# Altium PCB PCB1.PcbDoc (part 1 of 2) (continued)
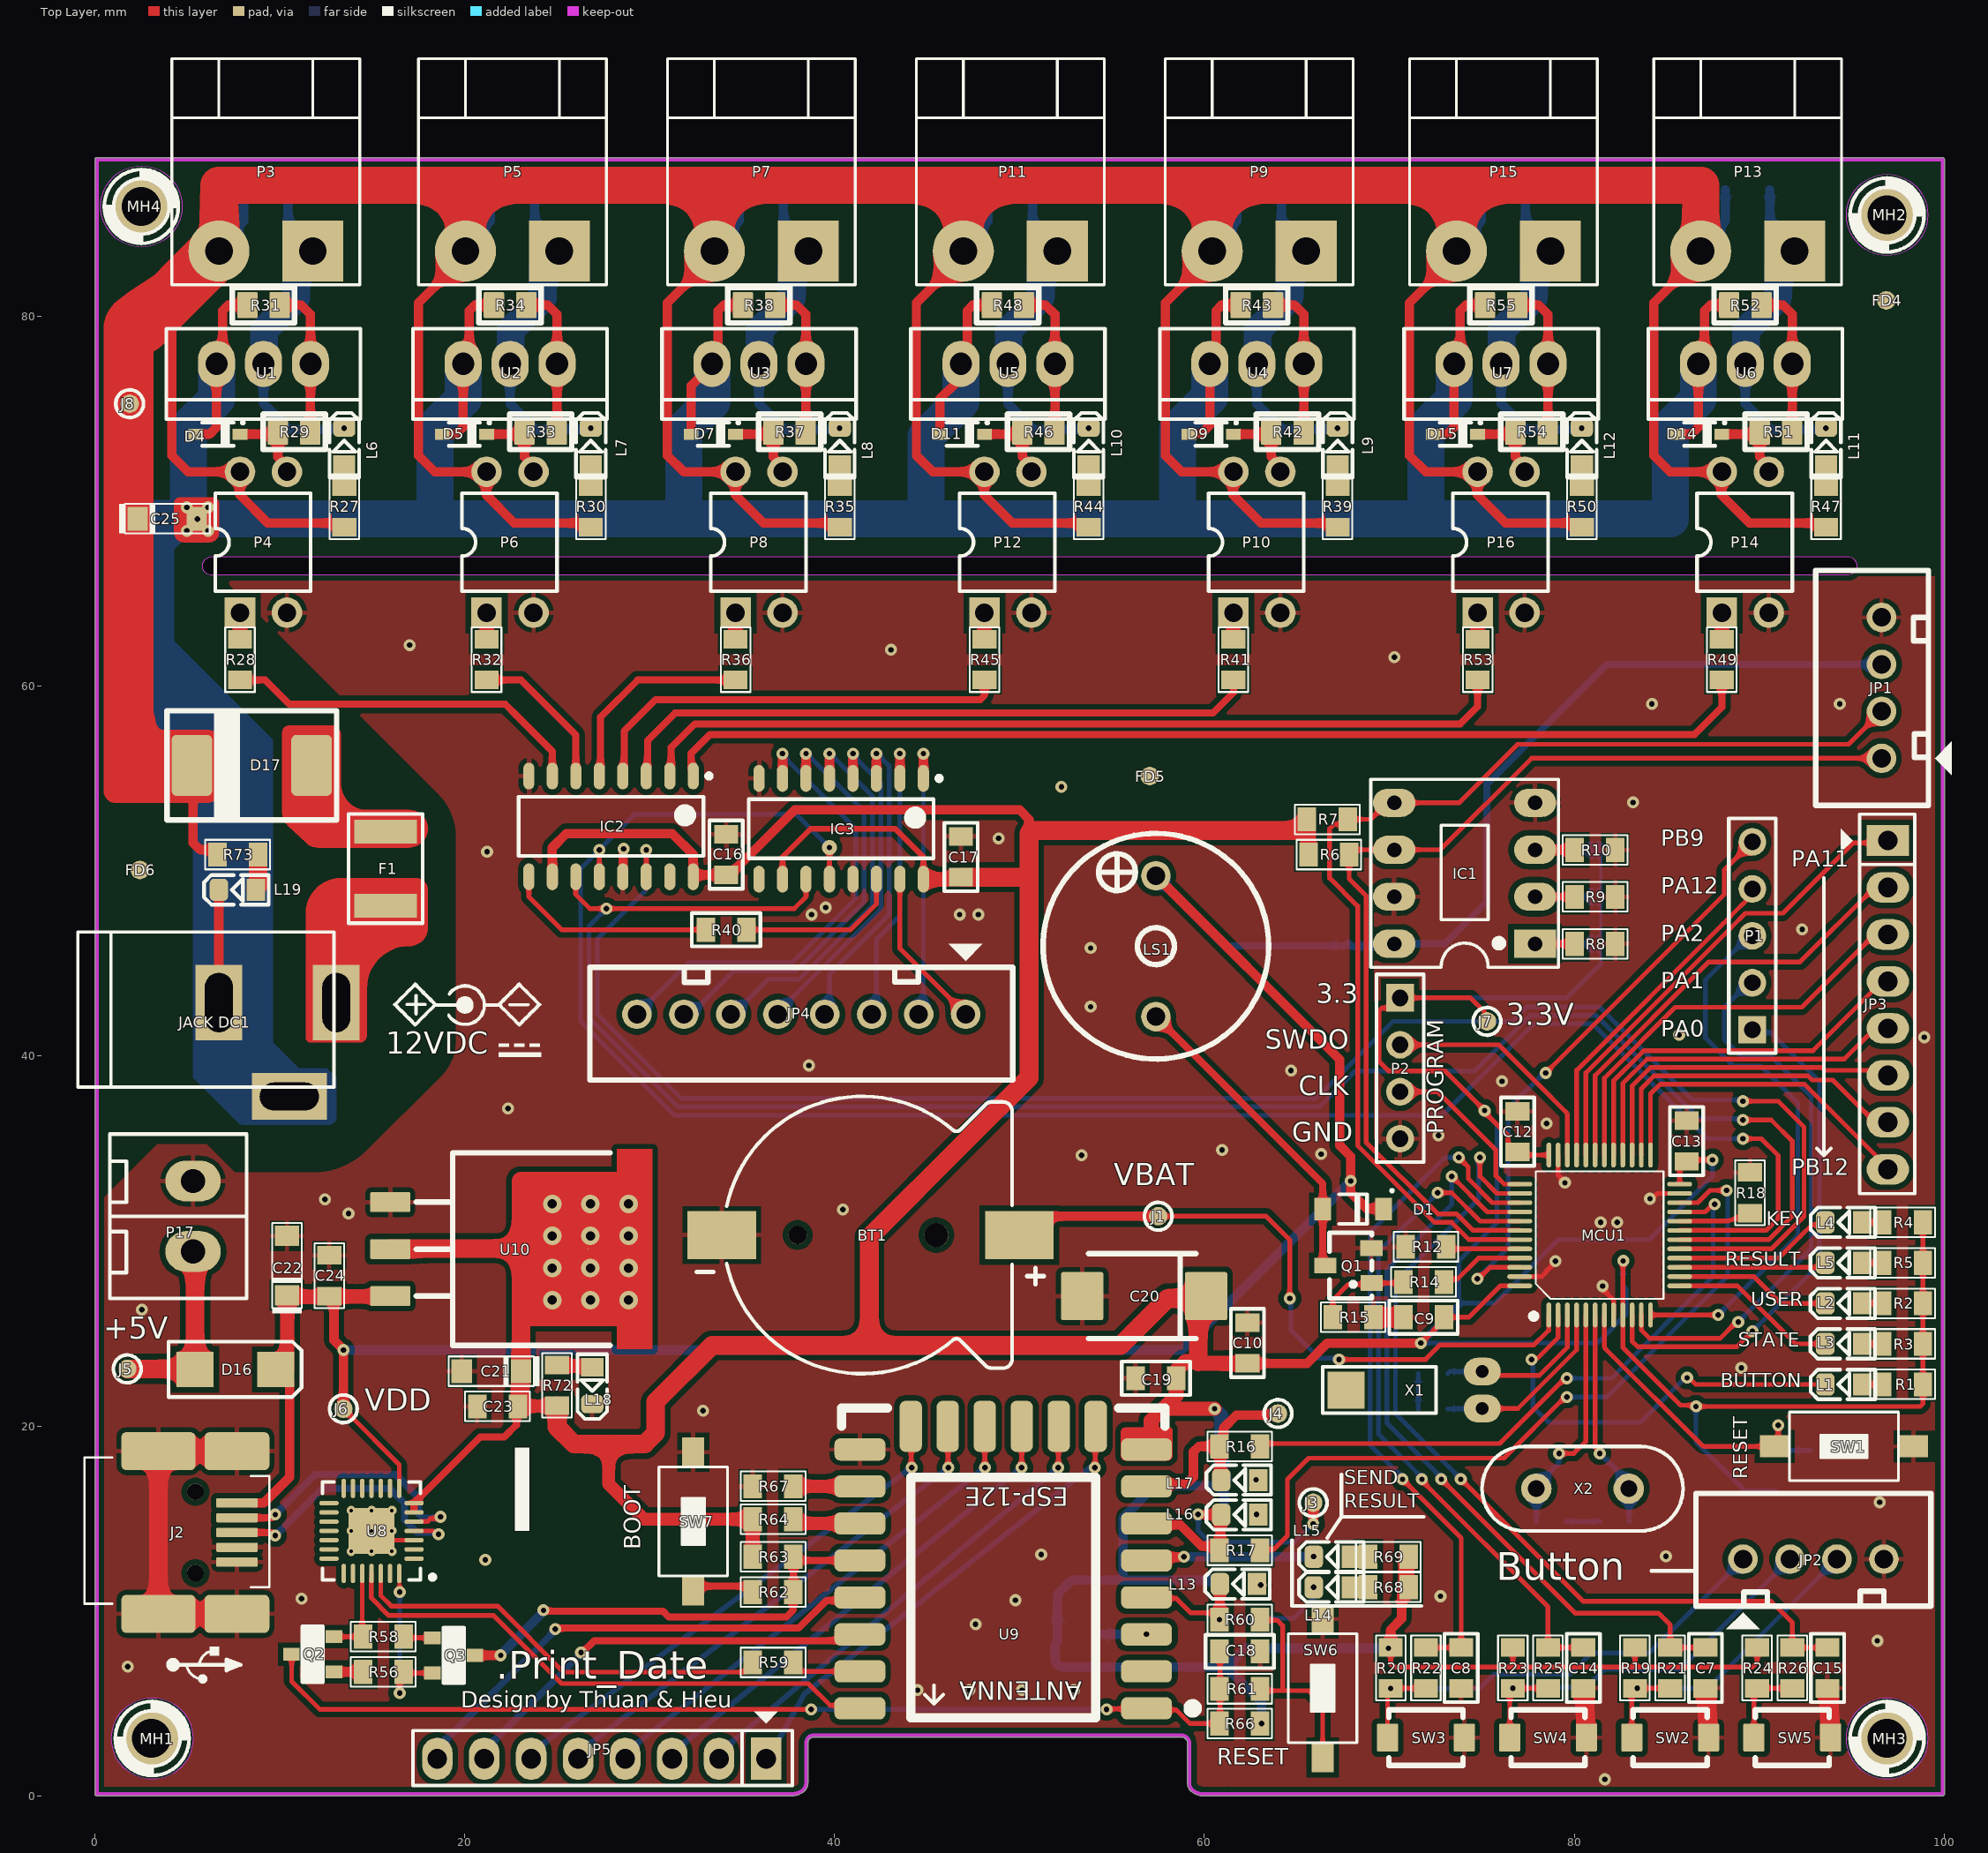
[diagram p0: Top Layer view]
## Part data (continued)
C21 C22 C25: library part T491A106K016AT, "CAP TANT 10UF 16V 10% 1206", Capacitance=10µF, ESR (Equivalent Series Resistance)="7 Ohm", Lifetime @ Temp.="2000 Hrs @ 85°C", Manufacturer 1=KEMET, Manufacturer Size Code=A, Operating Temperature="-55°C ~ 125°C", Package / Case="1206 (3216 Metric)", Supplier Part Number 1=399-8269-1-ND, Tolerance=±10%, Voltage - Rated=16V, Category 1=Capacitors, ComponentLink1Description=http://www.kemet.com/Lists/ProductCatalog/Attachments/254/KEM_T2005_T491.pdf, ComponentLink1URL=http://www.kemet.com/Lists/ProductCatalog/Attachments/254/KEM_T2005_T491.pdf, Description 1="CAP TANT 10UF 16V 10% 1206", Failure Rate=-, Features="General Purpose", Height - Seated (Max)="0.071\" (1.80mm)", Lead Spacing=-, Manufacturer Part Number 1=T491A106K016AT, Mounting Type="Surface Mount", Packaging="Cut Tape (CT)", Part Status=Active, Pricing 1="1=0.45, 10=0.312, 100=0.1873, 500=0.14048, 1000=0.11862 (USD)", RoHS 1="RoHS Compliant", Size / Dimension="0.126\" L x 0.063\" W (3.20mm x 1.60mm)", Stock 1=54083, Supplier 1=Digi-Key, Type=Molded
C23 C24: "Capacitor", LatestRevisionDate=17-Jul-2002, LatestRevisionNote="Re-released for DXP Platform.", PackageReference=RAD-0.3, Published=8-Jun-2000, Publisher="Altium Limited"
D1: library part 1N4148/W/WS, "DIO GEN 75V 0.15A SOD323 SMD", MFR=ONSEMI, MFR PN=1N4148WS, LINK=NA, PRICE=NA, UNIT=PCS
D2 D3 D4 D5 D6 D7 D8 D9 D10 D11 D12 D13 D14 D15: library part 1N4148WS, "DIO GEN 75V 0.15A SOD323 SMD", MFR=ONSEMI, LINK=NA, MFR PN=1N4148WS, PRICE=NA, UNIT=PCS
D16: library part "Diode SS14 ( 1N5819)", "Dán", Chung_Loai=Dán, Don_Vi=Con, Kieu_Chan=DO214, Ma_Hang=MH002211, So_Chan=2, Ten_Linh_Kien="Diode SS14 DO214 Schottky 1A 40V ( 1N5819 DO214)"
D17: library part "Diode Schottky", Buy Link=https://www.thegioiic.com/products/ss54-smc
F1: library part FUSE_MF-MSMF050-2, "BOURNS         MF-MSMF110/16-2            FUSE, RESETTABLE PTC, 16V, 1.1A, 1812, FULL REEL", Case Code (Imperial)=1812, Case Code (Metric)=4532, Current Rating=100A, Hold Current=500mA, Manufacturer=Bourns, Manufacturer Part Number=MF-MSMF050-2, Max Operating Temperature=85°C, Max Power Dissipation=800mW, Min Operating Temperature=-40°C, Operating Supply Voltage=15V, Package Quantity=2000, Resistance=150mR, Supplier Part Number 1=MF-MSMF050-2TR-ND, Trip Current=1A, Aging="1000 hr @ +85 °C (Passive)", Approvals=UL,CSA,TUV, Case/Package=1812, Category=Fuses, ComponentLink1Description=https://datasheet.ciiva.com/34302/1164200-34302041.pdf?src-supplier=Jameco, ComponentLink1URL=https://datasheet.ciiva.com/34302/1164200-34302041.pdf?src-supplier=Jameco, ComponentLink2Description=https://datasheet.ciiva.com/326/mfmsmf-326354.pdf?src-supplier=Digi-Key, ComponentLink2URL=https://datasheet.ciiva.com/326/mfmsmf-326354.pdf?src-supplier=Digi-Key, ComponentLink3Description=https://datasheet.ciiva.com/1228/1786007-1228155.pdf?src-supplier=Newark, ComponentLink3URL=https://datasheet.ciiva.com/1228/1786007-1228155.pdf?src-supplier=Newark, ComponentLink4Description=https://datasheet.ciiva.com/16205/mfmsmf-16205994.pdf?src-supplier=Onlinecomponents.com, ComponentLink4URL=https://datasheet.ciiva.com/16205/mfmsmf-16205994.pdf?src-supplier=Onlinecomponents.com, ComponentLink5Description=https://datasheet.ciiva.com/14537/70153434-14537737.pdf?src-supplier=Allied+Electronics, ComponentLink5URL=https://datasheet.ciiva.com/14537/70153434-14537737.pdf?src-supplier=Allied+Electronics, ComponentLink6Description=https://datasheet.ciiva.com/46395/1695373-46395287.pdf?src-supplier=Element14, ComponentLink6URL=https://datasheet.ciiva.com/46395/1695373-46395287.pdf?src-supplier=Element14, ComponentLink7Description=https://datasheet.ciiva.com/22749/1695373-22749079.pdf?src-supplier=Element14, ComponentLink7URL=https://datasheet.ciiva.com/22749/1695373-22749079.pdf?src-supplier=Element14, ComponentLink8Description=https://datasheet.ciiva.com/32426/mf-msmf-series-eng-tds-32426126.pdf?src-supplier=Distrelec, ComponentLink8URL=https://datasheet.ciiva.com/32426/mf-msmf-series-eng-tds-32426126.pdf?src-supplier=Distrelec, ComponentLink9Description=https://datasheet.ciiva.com/4501/mfmsmf-72300-4501655.pdf?src-supplier=Mouser, ComponentLink9URL=https://datasheet.ciiva.com/4501/mfmsmf-72300-4501655.pdf?src-supplier=Mouser, ComponentLink10Description=https://datasheet.ciiva.com/3019/mfmsmf-3019622.pdf?src-supplier=Avnet, ComponentLink10URL=https://datasheet.ciiva.com/3019/mfmsmf-3019622.pdf?src-supplier=Avnet, ComponentLink11Description=https://datasheet.ciiva.com/3019/mfmsmf-3019621.pdf?src-supplier=Avnet, ComponentLink11URL=https://datasheet.ciiva.com/3019/mfmsmf-3019621.pdf?src-supplier=Avnet, ComponentLink12Description=https://datasheet.ciiva.com/326/mfmsmf-326356.pdf?src-supplier=Digi-Key, ComponentLink12URL=https://datasheet.ciiva.com/326/mfmsmf-326356.pdf?src-supplier=Digi-Key, ComponentLink13Description=https://datasheet.ciiva.com/1274/1786007-1274499.pdf?src-supplier=Element14, ComponentLink13URL=https://datasheet.ciiva.com/1274/1786007-1274499.pdf?src-supplier=Element14, ComponentLink14Description=https://datasheet.ciiva.com/326/mfmsmf-326355.pdf?src-supplier=Digi-Key, ComponentLink14URL=https://datasheet.ciiva.com/326/mfmsmf-326355.pdf?src-supplier=Digi-Key, ComponentLink15Description=https://datasheet.ciiva.com/1274/1786007-1274498.pdf?src-supplier=Element14, ComponentLink15URL=https://datasheet.ciiva.com/1274/1786007-1274498.pdf?src-supplier=Element14, ComponentLink16Description=https://datasheet.ciiva.com/15226/getdatasheetpartid-117168-15226886.pdf?src-supplier=Verical, ComponentLink16URL=https://datasheet.ciiva.com/15226/getdatasheetpartid-117168-15226886.pdf?src-supplier=Verical, ComponentLink17Description=https://datasheet.ciiva.com/25894/mfmsmf-25894175.pdf?src-supplier=Avnet+Europe, ComponentLink17URL=https://datasheet.ciiva.com/25894/mfmsmf-25894175.pdf?src-supplier=Avnet+Europe, ComponentLink18Description=https://datasheet.ciiva.com/16206/mfmsmf-16206000.pdf?src-supplier=Onlinecomponents.com, ComponentLink18URL=https://datasheet.ciiva.com/16206/mfmsmf-16206000.pdf?src-supplier=Onlinecomponents.com, ComponentLink19Description=https://datasheet.ciiva.com/34302/1164242-34302042.pdf?src-supplier=Jameco, ComponentLink19URL=https://datasheet.ciiva.com/34302/1164242-34302042.pdf?src-supplier=Jameco, ComponentLink20Description=https://datasheet.ciiva.com/326/mfmsmf-326551.pdf?src-supplier=Digi-Key, ComponentLink20URL=https://datasheet.ciiva.com/326/mfmsmf-326551.pdf?src-supplier=Digi-Key, ComponentLink21Description=https://datasheet.ciiva.com/1274/1786007-1274504.pdf?src-supplier=Element14, ComponentLink21URL=https://datasheet.ciiva.com/1274/1786007-1274504.pdf?src-supplier=Element14, ComponentLink22Description=https://datasheet.ciiva.com/326/mfmsmf-326553.pdf?src-supplier=Digi-Key, ComponentLink22URL=https://datasheet.ciiva.com/326/mfmsmf-326553.pdf?src-supplier=Digi-Key, ComponentLink23Description=https://datasheet.ciiva.com/1274/1786007-1274505.pdf?src-supplier=Element14, ComponentLink23URL=https://datasheet.ciiva.com/1274/1786007-1274505.pdf?src-supplier=Element14, ComponentLink24Description=https://datasheet.ciiva.com/17401/mfmsmf-17401721.pdf?src-supplier=Avnet+Europe, ComponentLink24URL=https://datasheet.ciiva.com/17401/mfmsmf-17401721.pdf?src-supplier=Avnet+Europe, ComponentLink25Description=https://datasheet.ciiva.com/30134/575mfmsmf-30134057.pdf?src-supplier=Onlinecomponents.com, ComponentLink25URL=https://datasheet.ciiva.com/30134/575mfmsmf-30134057.pdf?src-supplier=Onlinecomponents.com, ComponentLink26Description=https://datasheet.ciiva.com/3020/mfmsmf-3020011.pdf?src-supplier=Avnet, ComponentLink26URL=https://datasheet.ciiva.com/3020/mfmsmf-3020011.pdf?src-supplier=Avnet, ComponentLink27Description=https://datasheet.ciiva.com/3019/mfmsmf-3019628.pdf?src-supplier=Avnet, ComponentLink27URL=https://datasheet.ciiva.com/3019/mfmsmf-3019628.pdf?src-supplier=Avnet, ComponentLink28Description=https://datasheet.ciiva.com/1228/1786007-1228158.pdf?src-supplier=Newark, ComponentLink28URL=https://datasheet.ciiva.com/1228/1786007-1228158.pdf?src-supplier=Newark, ComponentLink29Description=https://datasheet.ciiva.com/28411/1695373-28411566.pdf?src-supplier=Element14, ComponentLink29URL=https://datasheet.ciiva.com/28411/1695373-28411566.pdf?src-supplier=Element14, ComponentLink30Description=https://datasheet.ciiva.com/326/mfmsmf-326552.pdf?src-supplier=Digi-Key, ComponentLink30URL=https://datasheet.ciiva.com/326/mfmsmf-326552.pdf?src-supplier=Digi-Key, ComponentLink31Description=https://datasheet.ciiva.com/14538/70153434-14538680.pdf?src-supplier=Allied+Electronics, ComponentLink31URL=https://datasheet.ciiva.com/14538/70153434-14538680.pdf?src-supplier=Allied+Electronics, ComponentLink32Description=https://datasheet.ciiva.com/15187/getdatasheetpartid-115224-15187116.pdf?src-supplier=Verical, ComponentLink32URL=https://datasheet.ciiva.com/15187/getdatasheetpartid-115224-15187116.pdf?src-supplier=Verical, Contact Plating=Gold, Height=0.85mm, Lead Free="Lead Free", Length=4.73mm, Max Current Rating=100A, Mount="Surface Mount,PCB", Number of Pins=2, Number of Terminals/Pins=2, Packaging="Tape and Reel", Power Dissipation=800mW, Pricing 1="2000=0.15300, 4000=0.14400, 6000=0.13500, 10000=0.12600 (USD)", Pricing 2="2000=0.16800, 4000=0.16500, 6000=0.16200, 10000=0.15960 (USD)", Radiation Hardening=No, REACH SVHC="No SVHC", RoHS=Yes, RoHS Compliant=Yes, Series=MF-MSMF, Stock 1=20000, Stock 2=8000, Supplier 1=Digi-Key, Supplier 2=Digi-Key, Supplier Part Number 2=MF-MSMF110/16-2TR-ND, Terminal Material=Gold, Termination=SMD/SMT, Time to Trip=0.15s, Voltage Rating=15V, Voltage Rating (DC)=15V, Width=3.41mm
IC1: library part 24Cxx, "Standard 2-Wire Bus Interface Serial EEPROM", Copyright by=VanDungEvn
IC2 IC3: library part 74595, "8 Bit Serial input - Parallel Output"
J1 J3 J4 J5 J6 J7 J8: library part "TEST POINT 1.0X1.0", Manufacturer 1="Bourns Inc.", Manufacturer Part Number 1=PTV09A-4020U-B103, Power (Watts)="0.05W, 1/20W", Resistance (Ohms)=10k, Resistive Material=Carbon, Supplier Part Number 1=PTV09A-4020U-B103-ND, Temperature Coefficient=-, Tolerance=±20%, Actuator Diameter="0.236\" (6.00mm)", Actuator Length="0.787\" (20.00mm)", Actuator Type=Knurled, Adjustment Type="Top Adjustment", Built in Switch=None, Bushing Thread=-, Category 1="Potentiometers, Variable Resistors", ComponentLink1Description=http://www.bourns.com/docs/Product-Datasheets/PTV09.pdf, ComponentLink1URL=http://www.bourns.com/docs/Product-Datasheets/PTV09.pdf, Description 1="POT 10K OHM 1/20W CARBON LINEAR", Mounting Type="Through Hole, Snap In", Number of Turns=1, Packaging=Tray, Part Status=Active, Pricing 1="1=0.83, 10=0.744, 25=0.672, 50=0.648, 100=0.612, 250=0.588, 500=0.552, 1000=0.456, 5000=0.372 (USD)", RoHS 1="RoHS Compliant", Rotation=280°, Stock 1=414, Supplier 1=Digi-Key, Taper=Linear, Termination Style="PC Pins, Board Locks"
J2: "Connector SMD USB Type Mini-B", Manufacturer 1="Molex Connector Corporation", Manufacturer Part Number 1=67503-1020, Package / Case=SMD, Supplier Part Number 1=WM5461CT-ND, SCDType=undef, Supplier 1=Digi-Key
JP1 JP2: library part Con4, "Connector 4"
JP3 JP5: library part JP8, "JP8 PIN"
JP4: library part Con8, "Connector 8"
L1 L2 L3 L4 L5 L14 L15 L16 L17 L18: library part "LED RED 0805", "SMD", Chung_Loai=Dán, Don_Vi=Con, Ma_Hang=MH000897, Ten_Linh_Kien="LED 0805 Màu Đỏ (Red)"
L6 L7 L8 L9 L10 L11 L12 L13 L19: library part "LED GREEN 0805", "SMD", Chung_Loai=Dán, Don_Vi=Con, Ma_Hang=MH000897, Ten_Linh_Kien="LED 0805 Màu Đỏ (Red)"
MCU1: library part STM32F103C8T6, "Arm® 32-bit Cortex®-M3 CPU core / – 72 MHz maximum frequency, 1.25 / DMIPS/MHz (Dhrystone 2.1) performance / at 0 wait state memory access / – Single-cycle multiplication and hardware / division"
MH1 MH2 MH3 MH4: "Mounting Hole 3mm Diameter, 2.1mm Drill"
P1: library part "Header 5x1", "Header, 5 Pin Pitch 2.54mm", MPN=S1012EC-40-ND, CompanyID=VT-00125, Solder=WAVE
P2: library part Connector_4pin
P4 P6 P8 P10 P12 P14 P16: "NPN PHOTO General Purpose Amplifier", Code_JEDEC=TO-92A, DatasheetDocument=1997, LatestRevisionDate=15-Jan-2003, LatestRevisionNote="PCB Footprint 'BCY-W3/D4.7' replaced", PackageReference=TO-92A, Published=8-Jun-2000, Publisher="Altium Limited"
P17: library part TERMINAL_KF2EDGV_F_1X2_3.81, "TERM BLOCK HDR 2POS VERT 3.81MM", Color=Green, Current - IEC=-, Manufacturer="Wurth Electronics Inc.", Material Flammability Rating="UL94 V-0", Operating Temperature="-40°C ~ 105°C", Supplier Part Number 1=732-2082-ND, Category="Connectors, Interconnects", ComponentLink1Description=http://katalog.we-online.de/em/datasheet/6913213000xx.pdf, ComponentLink1URL=http://katalog.we-online.de/em/datasheet/6913213000xx.pdf, Contact Material=Brass, Contact Mating Finish=Tin, Contact Tail Length="0.138\" (3.50mm)", Features=-, Header Orientation=Vertical, Housing Material="Polyamide (PA66), Nylon 6/6", Ingress Protection=-, Insulation Height="0.362\" (9.20mm)", Manufacturer Part Number=691321300002, Mounting Type="Through Hole", Number of Levels=1, Number of Positions=2, Packaging=Bulk, Part Status=Active, Pitch="0.150\" (3.81mm)", Plug Wire Entry=-, Positions Per Level=2, Pricing 1="1=0.33, 10=0.296, 50=0.255, 100=0.2375 (USD)", RoHS="RoHS Compliant", Screw Size=-, Stock 1=2512, Supplier 1=Digi-Key, Termination Style=Solder, Torque - Screw=-, Type="Header, Male Pins, Shrouded (4 Side)", Wire Gauge or Range - AWG=-, Wire Gauge or Range - mm²=-, Wire Strip Length=-
Q1: library part C1815, "NPN 600mW, ECB"
Q2 Q3: library part MMBT8050LT1G_SMD, "NPN General Purpose Amplifier", Code_JEDEC=TO-92A, ComponentLink1Description="Manufacturer Link", ComponentLink1URL=http://www.fairchildsemi.com/, ComponentLink2Description=Datasheet, ComponentLink2URL=http://www.fairchildsemi.com/ds/2N%2F2N3904.pdf, DatasheetVersion=1997, LatestRevisionDate=15-Jan-2003, LatestRevisionNote="PCB Footprint 'BCY-W3/D4.7' replaced", PackageReference=TO-92A, PackageVersion=Sep-1998, Published=8-Jun-2000, Publisher="Altium Limited"
R1 R2 R3 R4 R5 R6 R7 R8 R9 R10 R11 R12 R13 R14 R15 R16 R17 R18 R19 R20 R21 R22 R23 R24 R25 R26 R56 R57 R58 R59 R60 R61 R62 R63 R64 R65 R66 R67 R68 R69 R72 R73: "Semiconductor Resistor", LatestRevisionDate=17-Jul-2002, LatestRevisionNote="Re-released for DXP Platform.", PackageReference=AXIAL-0.5, Published=8-Jun-2000, Publisher="Altium Limited"
R27 R28 R29 R30 R31 R32 R33 R34 R35 R36 R37 R38 R39 R41 R42 R43 R44 R45 R46 R47 R48 R49 R50 R51 R52 R53 R54 R55 R70 R71: library part 34.8K/R0805/1%_3, "1 kOhms ±1% 0.125W, 1/8W Chip Resistor 0805 (2012 Metric) Automotive AEC-Q200 Thick Film", Case Code (Imperial)=0603, Case Code (Metric)=1608, Max Operating Temperature=155°C, Min Operating Temperature=-55°C, Power Rating=100mW, Resistance=34.8kR, Voltage Rating=50V, Case/Package=0603, Depth=0.8mm, Digikey=541-1.00KCCT-ND, Height=0.45mm, Lead Free="Lead Free", Length=1.6mm, Military Standard=Not, Termination=SMD/SMT, Voltage Rating (DC)=50V, Width=0.8mm
R40: library part RC0805JR-0710KL, "RES SMD 10K OHM 5% 1/8W 0805", Manufacturer=Yageo, Operating Temperature="-55°C ~ 155°C", Package / Case="0805 (2012 Metric)", Power (Watts)="0.125W, 1/8W", Supplier Device Package=0805, Supplier Part Number 1=311-10KARCT-ND, Temperature Coefficient=±100ppm/°C, Tolerance=±5%, Category=Resistors, ComponentLink1Description=http://www.yageo.com/documents/recent/PYu-RC_Group_51_RoHS_L_9.pdf, ComponentLink1URL=http://www.yageo.com/documents/recent/PYu-RC_Group_51_RoHS_L_9.pdf, Composition="Thick Film", Failure Rate=-, Features="Moisture Resistant", Height - Seated (Max)="0.024\" (0.60mm)", Manufacturer Part Number=RC0805JR-0710KL, Packaging="Cut Tape (CT)", Part Status=Active, Pricing 1="1=0.1, 10=0.036, 100=0.0145, 1000=0.00652, 2500=0.00566 (USD)", RoHS="RoHS Compliant", Size / Dimension="0.079\" L x 0.049\" W (2.00mm x 1.25mm)", Stock 1=0, Supplier 1=Digi-Key
SB1 SB2 SB3: library part SOLDERBRIDGE, Artikkelnr Noca=N.A., Artikkelnr Simpro=N.A., ComponentLink1Description=Datasheet, ComponentLink2Description="Supplier link", Footprint Doc=Solderbridge, LatestRevisionDate=2009-12-14, Part Number=Solderbridge, Pin Count=2, Published=2009-12-14, Publisher="Nordic Semiconductor"
SW1 SW6 SW7: library part "SW_RS-282G05A3-SM RT", "SWITCH TACTILE SPST-NO 0.05A 12V", Contact Rating @ Voltage="0.05A @ 12VDC", Illumination Type, Color=-, Manufacturer=C&K, Operating Force=250gf, Supplier Part Number 1=CKN10384DKR-ND, Actuator Height off PCB, Vertical=2.50mm, Actuator Length, Right Angle=-, Actuator Material="Polyamide (PA), Nylon", Actuator Orientation="Top Actuated", Actuator Type="Rectangular Button", Category=Switches, Circuit=SPST-NO, ComponentLink1Description=http://media.digikey.com/pdf/Data%20Sheets/C&K/RS-282G05A-SM_RT.pdf, ComponentLink1URL=http://media.digikey.com/pdf/Data%20Sheets/C&K/RS-282G05A-SM_RT.pdf, Features=-, Illumination=Non-Illuminated, Illumination Voltage (Nominal)=-, Ingress Protection=-, Manufacturer Part Number="RS-282G05A3-SM RT", Mechanical Life="50,000 Cycles", Mounting Type="Surface Mount", Operating Temperature=-, Outline="6.00mm x 3.60mm", Packaging=Digi-Reel®, Part Status=Active, Pricing 1="1=0.81, 10=0.78, 25=0.7356, 50=0.6474, 100=0.5885, 250=0.55908, 500=0.54436, 1000=0.42666 (USD)", RoHS="RoHS Compliant", Stock 1=34459, Supplier 1=Digi-Key, Switch Function=Off-Mom, Switch Travel=0.25mm, Termination Style="Gull Wing"
SW2 SW3 SW4 SW5: library part "BUTTON 2-SMD RS-282G05A3", Contact Rating @ Voltage="0.05A @ 12VDC", Illumination Type, Color=-, Manufacturer="C&K Components", Manufacturer Part Number="RS-282G05A3-SM RT", Operating Force=250gf, Supplier Part Number 1=CKN10384CT-ND, Actuator Height off PCB, from Pins=2.50mm, Actuator Material="Polyamide (PA), Nylon", Actuator Orientation="Top Actuated", Actuator Type="Rectangular Button", Buy Link=https://thegioiic.com/products/nut-nhan-3x4x2-5-2pin-smd, Category=Switches, Circuit=SPST-NO, ComponentLink1Description=http://media.digikey.com/pdf/Data%20Sheets/C&K/RS-282G05A-SM_RT.pdf, ComponentLink1URL=http://media.digikey.com/pdf/Data%20Sheets/C&K/RS-282G05A-SM_RT.pdf, Features=-, Illumination=Non-Illuminated, Illumination Voltage (Nominal)=-, Ingress Protection=-, Mechanical Life="50,000 Cycles", Mounting Type="Surface Mount", Operating Temperature=-, Outline="6.00mm x 3.60mm", Packaging="Cut Tape (CT)", Part Status=Active, RoHS="RoHS Compliant", Supplier 1=Digi-Key, Switch Function=Off-Mom, Switch Travel=0.25mm, Termination Style="Gull Wing"
U1 U2 U3 U4 U5 U6 U7: "MOSFET N-CH 55V 110A TO-220AB"
U9: library part ESP_12_E, "ESP8266 ESP-12E Module (ESP8266, Castellated Holes)", IC=ESP8266-EX, Vendor=Ai-thinker
U10: "Linear Voltage Regulator 3V3 1.5A 24V Max TO-220", ComponentLink1Description=Datasheet, ComponentLink1URL="D:\Dropbox\Datasheets\Power Management ICs\Linear Regulators\LM78XX.pdf", Unit Price=0.3000
X1: library part XTAL_AB26T-32.768KHZ, "CRYSTAL 32.7680KHZ 12.5PF T/H", Frequency Stability=-, Frequency Tolerance=±20ppm, Load Capacitance=12.5pF, Manufacturer="Abracon LLC", Operating Mode=Fundamental, Operating Temperature="-10°C ~ 60°C", Package / Case="Cylindrical Can, Radial", Supplier Part Number 1=535-9032-ND, Category="Crystals, Oscillators, Resonators", ComponentLink1Description=http://www.abracon.com/Resonators/AB26T.pdf, ComponentLink1URL=http://www.abracon.com/Resonators/AB26T.pdf, Height - Seated (Max)="0.244\" (6.20mm)", Manufacturer Part Number=AB26T-32.768KHZ, Mounting Type="Through Hole", Packaging=Bulk, Part Status=Active, Pricing 1="1=0.21, 10=0.175, 50=0.1576, 100=0.14, 500=0.133, 1000=0.112, 2500=0.105, 5000=0.1015, 10000=0.098 (USD)", Ratings=-, RoHS="RoHS Compliant", Size / Dimension="0.083\" Dia x 0.244\" L (2.10mm x 6.20mm)", Stock 1=17810, Supplier 1=Digi-Key, Type="kHz Crystal (Tuning Fork)"
X2: "CRYSTAL 8.0000MHZ 12PF T/H", Frequency Stability=±30ppm, Load Capacitance=12pF, Manufacturer="TXC CORPORATION", Manufacturer Part Number=9B-8.000MAAE-B, Operating Mode=Fundamental, Operating Temperature="-20°C ~ 70°C", Package / Case=HC49/US, Ratings=-, Supplier Part Number 1=9B-8.000MAAE-B-ND, Category="Crystals, Oscillators, Resonators", ComponentLink1Description=http://www.txccorp.com/download/products/quartz_crystals/2015TXC_9B_33.pdf, ComponentLink1URL=http://www.txccorp.com/download/products/quartz_crystals/2015TXC_9B_33.pdf, Frequency Tolerance=±30ppm, Height - Seated (Max)="0.145\" (3.68mm)", Mounting Type="Through Hole", Packaging=Bulk, Part Status=Active, Pricing 1="1000=0.192 (USD)", RoHS="RoHS Compliant", Size / Dimension="0.453\" L x 0.197\" W (11.50mm x 5.00mm)", Stock 1=0, Supplier 1=Digi-Key, Type="MHz Crystal"

## Via types
v1: diameter 0.65, hole 0.3, Top Layer to Bottom Layer, tented both sides, 145 vias
v2: diameter 1, hole 0.5, Top Layer to Bottom Layer, 12 vias
v3: diameter 0.5, hole 0.2, Top Layer to Bottom Layer, tented both sides, 9 vias
v4: diameter 0.8/0.8 (per signal layer), hole 0.3, Top Layer to Bottom Layer, tented both sides, 1 vias

## Nets (pads, with @x,y where several pads share a name; then routed paths per layer and width w, separated by ;. In a path a pad name is that pad's centre, name@x,y a point inside that pad or via, vN(x,y) a via of type N, cw(c..) or ccw(c..) an arc to the next point about the centre after c; other vN are vias at no path point)
3V3: C9.2 C10.2 C11.2 C12.2 C13.2 C16.1 C17.1 C19.2 C20.1 C21.1 C23.1 IC2.10 IC2.16 IC3.10 IC3.16 J7.1 MCU1.9 MCU1.24 MCU1.36 MCU1.48 P2.1 R1.2 R2.2 R3.2 R4.2 R5.2 R6.2 R7.2 R13.2 R19.1 R20.1 R23.1 R24.1 R57.2 R63.1 R64.1 R65.1 R66.1 R68.2 R69.2 R70.2 R71.2 R72.1 SB1.1 SB2.1 SB3.2 U8.6 U8.7 U9.8 U10.2 U10.4 | length 424.3
  Top Layer w0.254: R6.2@65.548,50.984 R6.2@65.548,50.988 ; v1(69.95,7.974) 70.077,7.847 70.077,7.107 70.226,6.958 76.681,6.958 ; v1(71.708,24.484) C9.2@72.955,25.731 ; C9.2@73.105,25.881 74.299,25.881 75.992,27.574 77.053,27.574 MCU1.48@77.055,27.576 ; J7.1@75.284,41.883 75.141,42.026 75.141,42.407 74.395,43.153 P2.1@70.585,43.153 70.036,42.605 69.603,42.605 69.454,42.456 69.454,39.712 69.962,39.204 73.01,39.204 v1(75.157,37.057) 75.157,36.961 76.412,35.706 76.412,35.187 76.785,34.814 C12.2@76.935,34.814 77.098,34.651 MCU1.36@78.63,34.651 ; R23.1@76.681,8.015 76.681,6.958 ; v1(82.65,28.929) 82.632,28.911 82.632,26.003 MCU1.9@82.63,26.001 82.632,25.999 82.632,24.248 85.757,21.123 86.519,21.123 v1(86.587,21.055) 98.71,21.055 98.859,21.204 R1.2@98.859,22.248 R3.2@98.859,24.439 R2.2@98.859,26.63 R5.2@98.859,28.821 R4.2@98.859,31.011 ; R19.1@83.285,8.015 83.285,6.958 ; MCU1.24@85.705,33.076 85.705,33.933 C13.2@86.079,34.306 ; C13.2@86.079,34.306 86.163,34.39 v1(87.476,34.39) ; R24.1@89.889,8.015 89.889,7.212 89.635,6.958 83.285,6.958 ; 76.681,6.958 83.285,6.958
  Top Layer w0.305: IC3.10@37.184,49.572 37.184,50.773 38.708,52.297 43.28,52.297 44.804,50.773 IC3.16@44.804,49.572
  Top Layer w0.381: 17.259,15.487 U8.7@17.259,15.824 ; U8.7@17.325,15.89 17.617,16.182 20.839,19.404 22.145,19.404 22.797,20.057 22.797,20.979 C23.1@22.874,21.055
  Top Layer w0.5: IC2.10@24.738,49.699 24.738,51.281 25.5,52.043 31.215,52.043 32.358,50.9 IC2.16@32.358,49.754 ; IC2.16@32.358,49.699 IC2.16@32.358,49.754 ; C16.1@34.14,49.8 C16.1@34.136,49.8 ; 50.519,52.043 50.519,52.805 50.011,53.313 37.842,53.313 34.579,50.05 34.386,50.05 C16.1@34.136,49.8 ; IC2.16@32.358,49.754 32.404,49.8 C16.1@34.136,49.8
  Top Layer w0.508: C20.1@59.666,26.599 59.966,26.899 C20.1@60.092,27.024 ; C10.2@62.33,23.384 65.548,23.384 66.648,24.484 v1(71.708,24.484) ; R7.2@65.548,52.805 R7.2@65.614,52.74 ; R6.2@65.614,50.919 R6.2@65.632,50.9 ; v1(69.95,7.974) 69.95,8.134 70.077,8.261 70.077,8.99 70.669,9.582 70.669,11.12 R68.2@70.825,11.276 ; R20.1@70.075,7.969 R20.1@70.077,8.015 ; C9.2@72.955,25.731 C9.2@72.955,25.881
  Top Layer w0.7: C23.1@22.874,21.055 22.896,21.077 24.971,21.077 R72.1@24.992,21.098 ; 27.786,19.023 27.786,16.864 29.691,14.959 R64.1@35.533,14.959 ; R63.1@35.576,12.927 R64.1@35.576,14.959 ; 59.666,23.384 59.666,23.468 ; R6.2@65.548,50.988 65.614,50.92 R6.2@65.632,50.9 ; R68.2@70.825,11.276 R69.2@70.825,12.927
  Top Layer w0.762: IC3.16@44.885,49.56 46.723,49.56 C17.1@46.836,49.673 ; 57.822,20.992 57.885,20.928 v1(60.552,20.928) ; R6.2@65.614,50.92 R7.2@65.614,52.74
  Top Layer w0.8: U9.8@56.872,18.728 56.923,18.728 57.123,18.928 57.123,20.293 57.822,20.992 58.477,21.647 C19.2@58.477,22.579 58.477,23 58.946,23.468 59.666,23.468 ; 59.666,23.384 C10.2@62.33,23.384
  Top Layer w1: U10.2@15.975,29.564 16.01,29.599 23.036,29.599 ; C23.1@22.874,21.205 22.986,21.317 22.986,22.91 C21.1@23.036,22.96 23.036,29.599 ; 23.036,33.247 23.036,29.599 ; v2@24.738,29.98 v2@26.65,29.98 ; v2@24.738,30.199 24.138,29.599 23.036,29.599 ; U10.4@26.65,29.564 v2@26.65,29.98 ; v2@26.963,29.98 v2@26.65,29.98
  Top Layer w1.016: R72.1@24.992,21.098 24.992,19.941 25.91,19.023 27.786,19.023 29.731,19.023 30.326,19.619 30.326,21.309 33.374,24.357 41.883,24.357 ; C17.1@46.836,49.673 50.392,49.673 ; 59.666,23.468 C20.1@59.666,26.599 ; C20.1@59.966,26.899 58.013,26.899 55.472,24.357 41.883,24.357 ; R7.2@65.378,52.195 50.671,52.195 50.519,52.043 50.519,43.57 50.519,38.835 47.171,35.487 41.883,30.199 41.883,24.357
  Bottom Layer w0.152: 81.439,44.99 81.439,45.721 SB1.1@81.439,46.074 81.439,46.427 81.439,48.261 SB2.1@81.439,48.614 ; 81.439,48.967 81.439,50.801 SB3.2@81.439,51.154
  Bottom Layer w0.254: P2.1@70.585,43.153 79.602,43.153 81.439,44.99 ; v1(71.708,24.484) 81.253,24.484 82.799,26.03 82.799,27.427 C11.2@82.693,27.532 82.65,27.575 v1(82.65,28.929) ; 73.76,26.75 73.76,28.929 75.819,30.988 75.819,36.299 75.157,36.961 v1(75.157,37.057) ; 73.863,26.643 75.711,26.643 79.14,30.072 84.047,30.072 87.476,33.501 v1(87.476,34.39) ; v1(86.587,21.055) 86.587,19.15 89.257,16.48 R13.2@90.884,16.48
  Bottom Layer w0.4: v1@71.708,24.488 73.863,26.643
  Bottom Layer w0.508: R57.2@60.849,11.403 60.849,11.411 60.603,11.657 55.726,11.657 ; R70.2@61.074,15.213 61.074,16.396 60.706,16.764 57.32,16.764 55.599,15.043 55.599,11.784 55.726,11.657 ; R71.2@61.074,16.51 R71.2@61.074,17.118 ; v1(63.092,3.91) 63.092,5.053 61.187,6.958 ; v1(69.95,7.974) 62.203,7.974 61.187,6.958 ; 55.726,11.657 53.016,11.657 53.013,11.657 ccw(c53.016,11.149) 52.656,11.509 52.192,11.044 ccw(c52.551,10.685) 52.043,10.685 52.043,8.399 52.065,8.377 ccw(c52.424,8.018) 51.916,8.018 51.916,7.466 ccw(c52.424,7.466) 52.424,6.958 61.187,6.958
  Bottom Layer w0.762: v1(60.552,20.928) 60.905,20.575 60.905,17.437 61.074,17.268 R71.2@61.074,17.118
  other v2: 24.738,26.805 26.8,26.805 28.861,26.805 24.738,28.541 26.8,28.541 28.861,28.541 24.738,30.276 26.8,30.276 28.861,30.276 24.738,32.012 26.8,32.012 28.861,32.012
7S_1: IC3.15 JP4.1 | length 8.8
  Top Layer w0.254: IC3.15@43.534,49.572 43.534,45.82 JP4.1@47.09,42.264
7S_2: IC3.1 JP4.2 | length 15.5
  Top Layer w0.5: IC3.1@44.804,55.022 v1(44.804,56.361)
  Bottom Layer w0.254: JP4.2@44.55,42.264 44.804,42.518 v1(44.804,56.361)
7S_3: IC3.2 JP4.3 | length 16.1
  Top Layer w0.5: IC3.2@43.534,55.022 v1(43.534,56.361)
  Bottom Layer w0.254: JP4.3@42.01,42.264 42.268,42.522 42.268,46.325 43.525,47.582 43.525,56.256 v1@43.63,56.361
7S_4: IC3.3 JP4.4 | length 17.1
  Top Layer w0.5: IC3.3@42.264,55.022 v1(42.264,56.361)
  Bottom Layer w0.254: JP4.4@39.47,42.264 39.728,42.522 39.728,44.427 42.953,47.652 42.953,55.703 42.391,56.265 v1@42.391,56.361
7S_5: IC3.4 JP4.5 | length 18.4
  Top Layer w0.5: IC3.4@40.994,55.022 v1(40.994,56.361)
  Bottom Layer w0.254: JP4.5@36.93,42.264 36.93,42.37 42.499,47.939 42.499,54.76 40.994,56.265 v1(40.994,56.361)
7S_6: IC3.5 JP4.6 | length 20.6
  Top Layer w0.5: IC3.5@39.724,55.022 v1(39.724,56.361)
  Bottom Layer w0.254: JP4.6@34.39,42.264 34.527,42.264 36.413,44.15 37.786,44.15 38.068,44.15 42.045,48.127 42.045,48.409 42.045,54.071 39.851,56.265 v1@39.851,56.361
7S_7: IC3.6 JP4.7 | length 22.9
  Top Layer w0.5: IC3.6@38.454,55.022 v1(38.454,56.361)
  Bottom Layer w0.254: JP4.7@31.85,42.264 32.214,42.264 34.554,44.604 37.598,44.604 37.88,44.604 41.591,48.315 41.591,48.598 41.591,53.255 38.581,56.265 v1@38.581,56.361
7S_8: IC3.7 JP4.8 | length 25.2
  Top Layer w0.5: IC3.7@37.184,55.022 v1(37.184,56.361)
  Bottom Layer w0.254: JP4.8@29.31,42.264 32.104,45.058 37.692,45.058 41.137,48.503 41.137,52.312 37.184,56.265 v1(37.184,56.361)